# Altium PCB 恒流驱动灯板.PcbDoc
Units mm, origin at the board's own origin, x right, y up, seen from the top; angles counter-clockwise.
Board outline 80.25 x 79.53 mm, 2 copper layers (Top Layer, Bottom Layer); 27 components, 24 nets, 96 pads, 0 vias.
Unrouted connection lines stored in the file: 3.
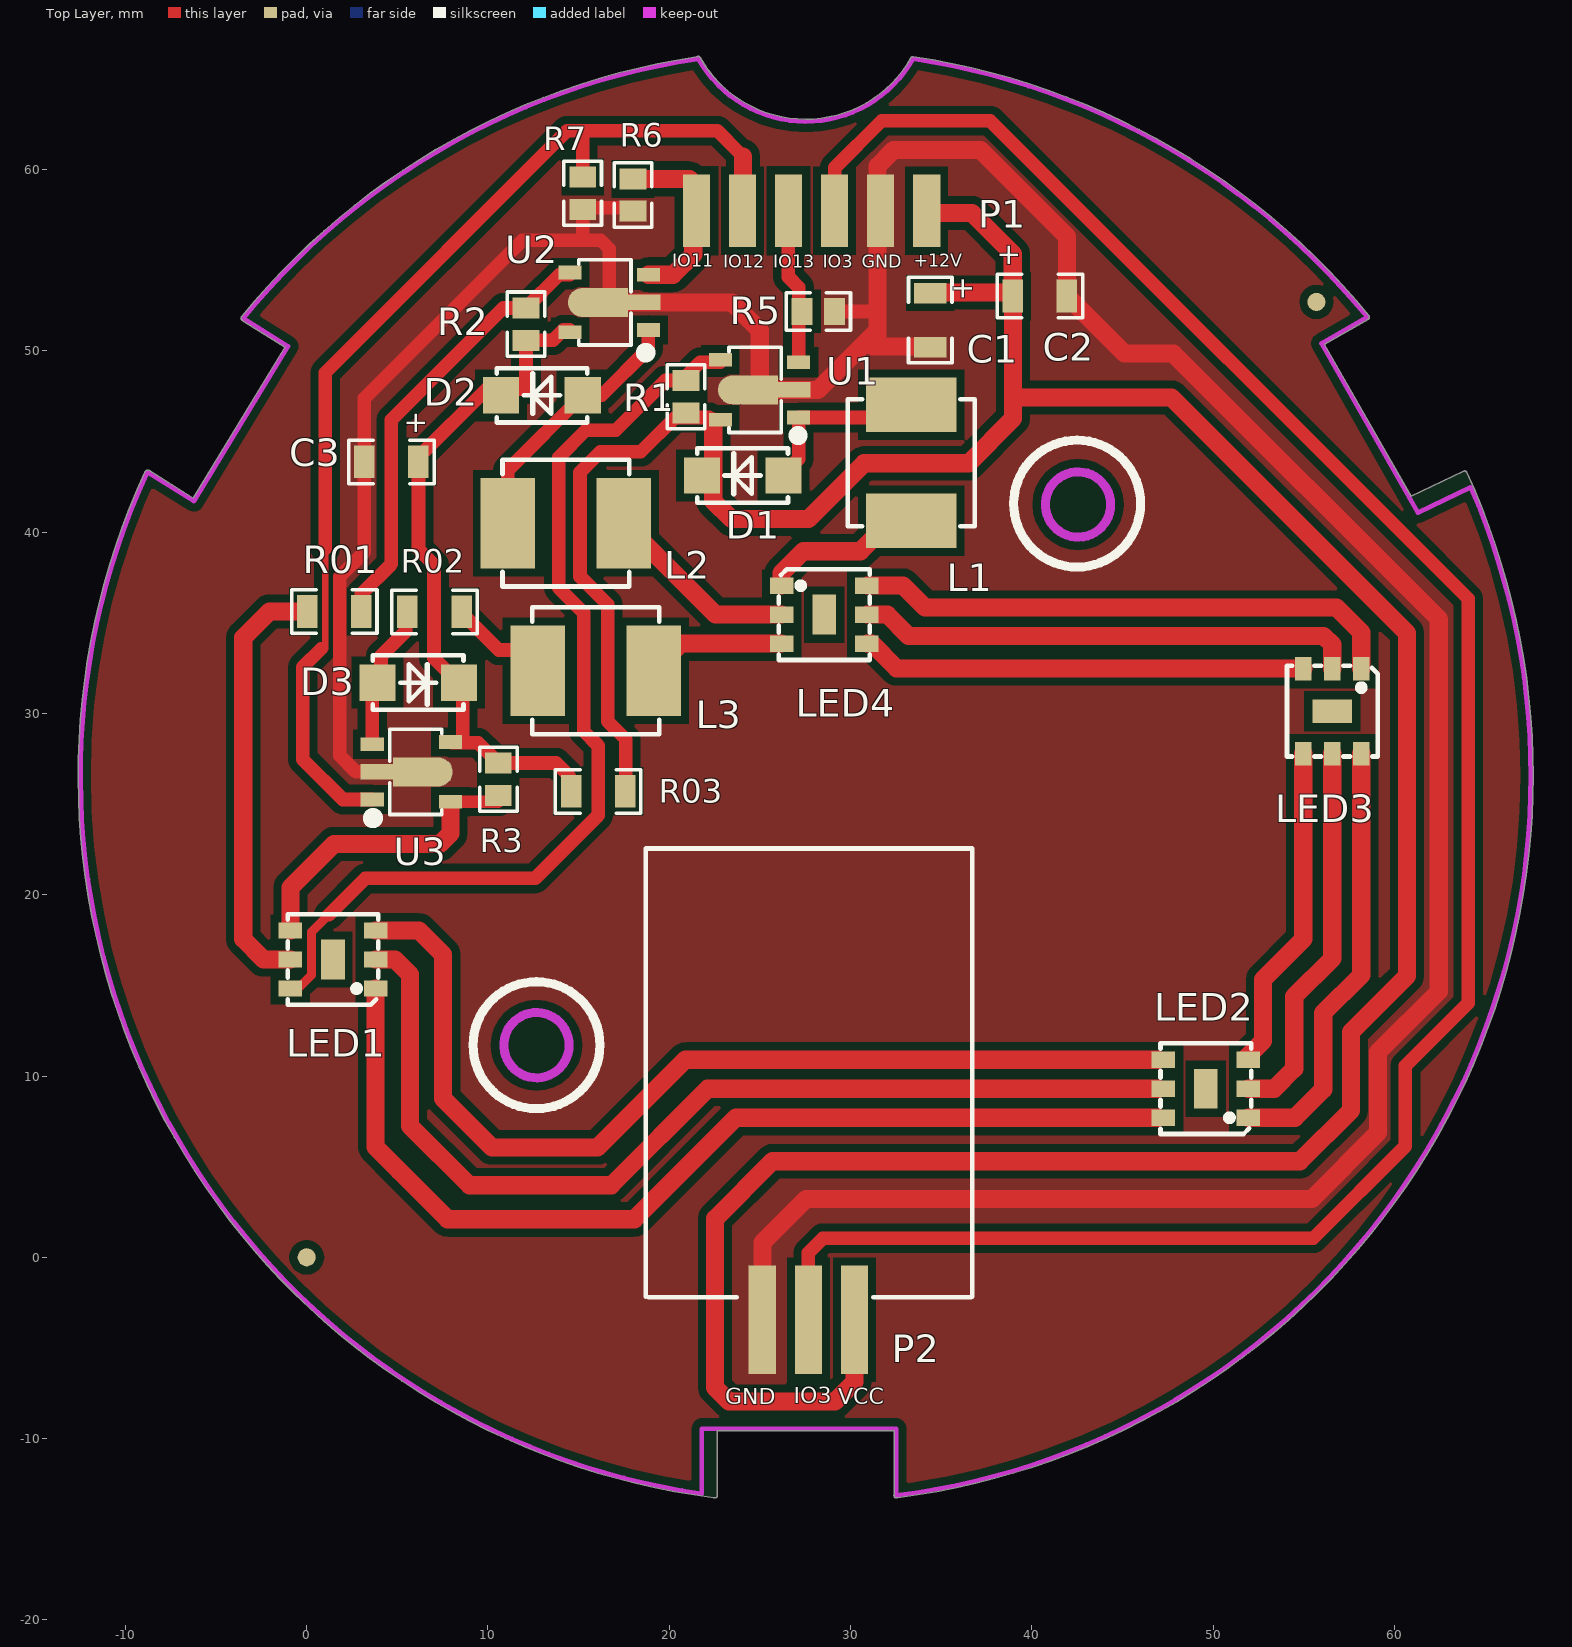
[diagram p0: Top Layer view]
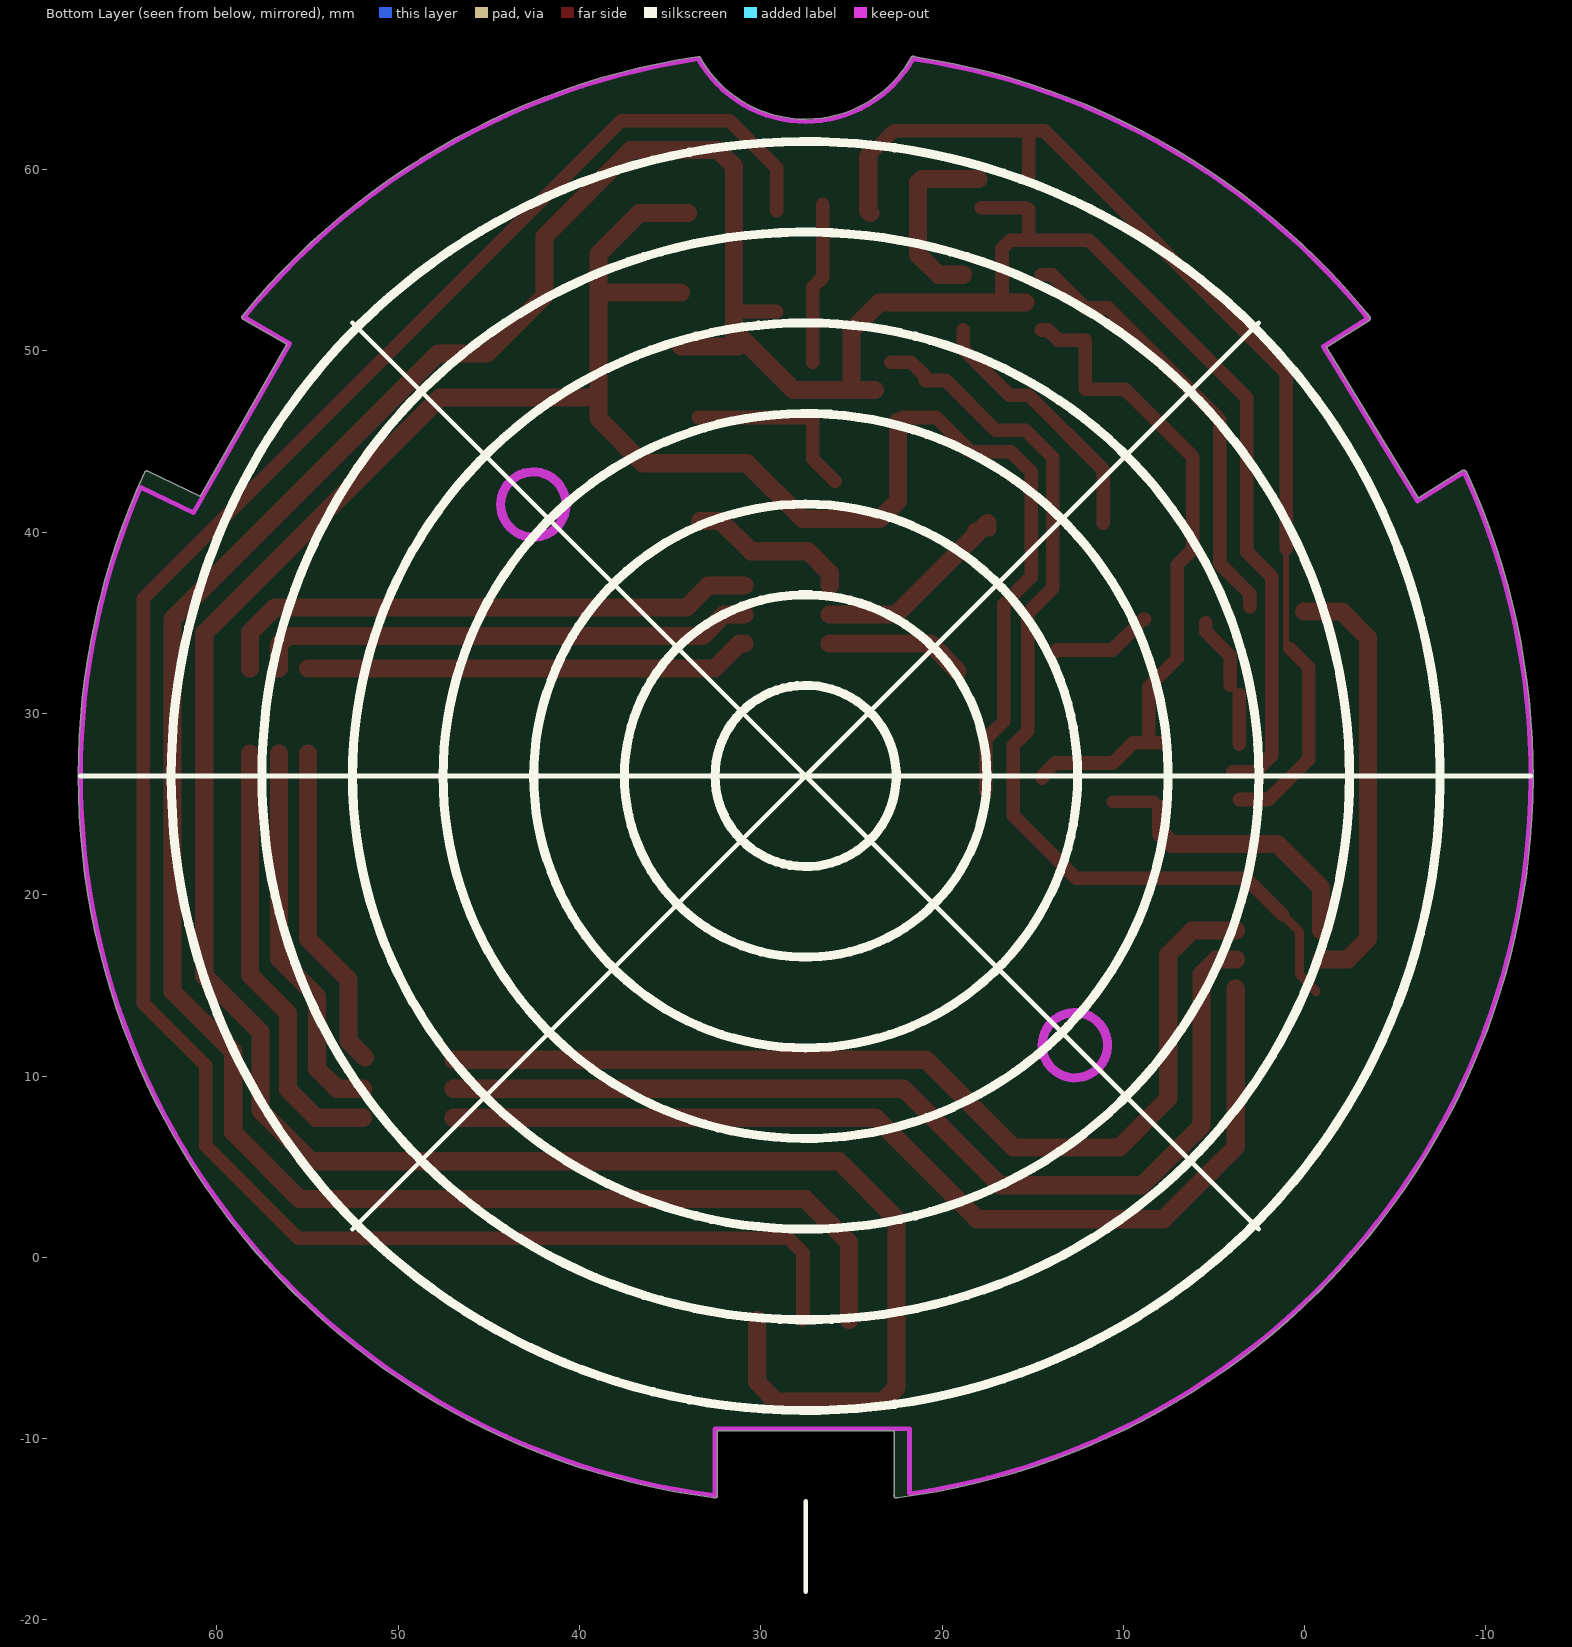
[diagram p1: Bottom Layer view, seen from below]

## Layer stack, top to bottom
Top Layer: signal copper 0.0356
Dielectric: dielectric 0.32, FR-4, Dk 4.8
Bottom Layer: signal copper 0.0356

## Board outline
22.454,-13.256 cw(c27.525,26.55) -8.938,43.303 cw(c-8.822,43.25) -8.878,43.364 cw(c-8.769,43.3) -8.701,43.408 -6.266,41.886 -1.195,50.209 -3.537,51.672 cw(c-3.47,51.78) -3.563,51.693 cw(c-3.497,51.802) -3.595,51.882 cw(c27.525,26.55) 21.51,66.224 cw(c21.592,66.126) 21.703,66.188 ccw(c27.525,69.45) 33.324,66.148 cw(c33.446,66.109) 33.464,66.235 cw(c27.525,26.55) 58.598,51.941 cw(c58.499,51.86) 58.626,51.86 cw(c58.499,51.86) 58.562,51.75 56.148,50.362 60.927,41.973 63.812,43.363 cw(c63.872,43.25) 63.988,43.303 cw(c27.525,26.55) 67.652,26.55 cw(c27.525,26.55) 32.596,-13.256 cw(c32.525,-13.15) 32.398,-13.159 cw(c32.523,-13.136) 32.398,-13.116 32.398,-9.577 22.652,-9.577 22.652,-13.116 cw(c22.527,-13.136) 22.654,-13.136 cw(c22.527,-13.136) 22.652,-13.159 cw(c22.525,-13.15)

## Design rules (kind name [scope] priority, off if disabled: settings)
Clearance Clearance_1 [All] p1 off: gap=0.45
Clearance [All] p2: gap=0.17
PolygonConnect [All] p1: connectstyle=Direct reliefconductorwidth=0.254 reliefentries=4 polygonreliefangle="90 Angle"
RoutingVias [All] p1: holewidth=0.711 width=1.27 viastyle="Through Hole" minholewidth=0.711 minwidth=1.27 maxholewidth=0.711 maxwidth=1.27
SilkscreenOverComponentPads SilkToSolderMaskClearance [IsPad] p1: minsilkscreentomaskgap=0.254
SolderMaskExpansion [All] p1: expansion=0.102
TestPointUsage FabricationTestPointUsage [All] p1: valid=0 allowmultiple=FALSE
Testpoint FabricationTestpoint [All] p1: side=3 testpointundercomponent=TRUE minsize=1.016 maxsize=2.54 preferedsize=1.524 minholesize=0 maxholesize=1.016 preferedholesize=0.813 testpointgrid=0.025 style=297 order=0-112345678
Width Width_3 [All] p1: maxlimit=1 minlimit=1 preferedwidth=1
Width Width_2 [All] p2 off: maxlimit=0.35 minlimit=0.35 preferedwidth=0.35
Width Width_1 [All] p3 off: maxlimit=0.75 minlimit=0.75 preferedwidth=0.75
Width [All] p4 off: maxlimit=0.254 minlimit=0.254 preferedwidth=0.254
23 further rules are at their usual default settings.

## Components (designator, comment, footprint, x,y, rotation, side; value= is the part's Value field where it differs from the comment)
C1 "22uF/25V" 1206 34.4,51.7 r90 top
C2 "22uF/25V" 1206 40.45,53.025 r180 top
C3 "22uF/25V" 1206 4.675,43.875 r0 top
D1 "SS34" SMA 24.05,43.125 r180 top
D2 "SS34" SMA 12.975,47.55 r180 top
D3 "SS34" SMA 6.15,31.7 r0 top
L1 "68uH" "D电感 7X7mm" 33.35,43.825 r270 top
L2 "68uH" "D电感 7X7mm" 14.3,40.5 r0 top
L3 "68uH" "D电感 7X7mm" 15.95,32.35 r0 top
LED1 "5050RGB 3W" "LED 5050RGB 3W" 1.45,16.425 r180 top
LED2 "5050RGB 3W" "LED 5050RGB 3W" 49.6,9.3 r180 top
LED3 "5050RGB 3W" "LED 5050RGB 3W" 56.575,30.125 r270 top
LED4 "5050RGB 3W" "LED 5050RGB 3W" 28.55,35.45 r0 top
P1 "2.0X6直插" "2.54M6 贴焊" 27.85,57.725 r0 top
P2 "2.54mmX3弯针" "模块5.8G微波感应模 2" 27.675,-3.45 r0 top
R1 "0.62Ω" 0805 20.925,47.475 r90 top
R01 "0Ω" 1206 1.525,35.625 r0 top
R2 "0.62Ω" 0805 12.1,51.475 r90 top
R02 "0Ω" 1206 7.05,35.6 r0 top
R3 "0.62Ω" 0805 10.575,26.375 r270 top
R03 "0Ω" 1206 16.075,25.7 r0 top
R5 "10K" 0805 28.225,52.175 r0 top
R6 "10K" 0805 18,58.6 r270 top
R7 "10K" 0805 15.225,58.7 r270 top
U1 "PT4205" "SOT-89-5L - 改" 24.975,47.85 r90 top
U2 "PT4205" "SOT-89-5L - 改" 16.694,52.675 r90 top
U3 "PT4205" "SOT-89-5L - 改" 5.775,26.775 r270 top

## Footprints (in the part's own frame and the unit in brackets; to place one, negate y for a bottom-side part, rotate by r counter-clockwise, add the part's x,y. Pads: shape width x height; smd on the part's side, far side on the other; paste and mask are expansions set on the pad)
"2.54M6 贴焊" [mm]
  rect 1.5x4 smd: 1(-6.35,0) 2(-3.81,0) 3(-1.27,0) 4(1.27,0) 5(3.81,0) 6(6.35,0)
0805 [mm]
  rect 1.16x1.47 smd: 1(-0.89,0) 2(0.89,0)
  silkscreen extent -1.77,-1.04 1.77,1.03
1206 [mm]
  rect 1.13x1.8 smd: 1(-1.49,0) 2(1.49,0)
  silkscreen extent -2.36,-1.2 2.35,1.2
"D电感 7X7mm" [mm]
  rect 3x5 smd: 1(-3.2,0) 2(3.2,0)
  silkscreen extent -3.5,-3.5 3.5,3.5
"LED 5050RGB 3W" [mm]
  rect 1.3x2.2 smd: 0(0,0)
  rect 1.3x0.9 smd: 1(-2.35,1.6) 2(-2.35,0) 3(-2.35,-1.6) 4(2.35,-1.6) 5(2.35,0) 6(2.35,1.6)
  silkscreen extent -2.5,-2.5 2.5,2.5
SMA [mm]
  rect 2x2 smd: 1(-2.25,0) 2(2.25,0)
  silkscreen extent -2.5,-1.5 2.5,1.5
"SOT-89-5L - 改" [mm]
  rect 0.75x1.27 smd: 1(-1.524,-2.159) 3(1.524,-2.159) 4(1.651,2.159) 5(-1.651,2.159)
  oval 1.6x2 smd: 2(0,1.281)
  rect 1.6x2 smd: 2(0,-0.019)
  rect 0.864x2 smd: 2(0,-1.819)
  silkscreen extent -2.35,-1.2 2.35,1.68
"模块5.8G微波感应模 2" [mm]
  rect 1.5x6 smd: 1(-2.54,0) 2(0,0) 3(2.54,0)
  silkscreen extent -8.97,1.24 9.03,26

## Part data
C1 C2 C3: library part C
D1 D2 D3: library part D稳压二极管
L1 L2 L3: library part D电感
LED1 LED2 LED3 LED4: library part "LED 5050RGB 3W"
P1: library part "Header 6", "Header, 6-Pin"
P2: library part "Header 3", "Header, 3-Pin"
R1 R01 R2 R02 R3 R03: library part R1
R5 R6 R7: library part R电阻1

## Free pads (board coordinates)
  round 1 smd: 1(0,0) 1(55.7,52.7)

## Nets (pads, with @x,y where several pads share a name; then routed paths per layer and width w, separated by ;. In a path a pad name is that pad's centre, name@x,y a point inside that pad or via, vN(x,y) a via of type N, cw(c..) or ccw(c..) an arc to the next point about the centre after c; other vN are vias at no path point)
B1: LED1.6 R1.2 U1.4 | length 53.7
  Top Layer w0.5: LED1.6@-0.625,14.675 0.275,15.575 0.275,17.95 1.214,18.889
  Top Layer w0.75: 1.214,18.889 3.225,20.9 12.6,20.9 16.075,24.375 16.075,28.225 15.28,29.02 15.28,35.545 13.9,36.925 13.9,44.125 15.4,45.625 17.05,45.625 19.79,48.365 R1.2 ; R1.2@20.965,48.64 21.699,49.374 U1.4@22.816,49.374
B2: L1.2 LED4.1 | length 9
  Top Layer w1: LED4.1 26.2,37.75 27.4,38.95 30.55,38.95 32.225,40.625 L1.2
G1: LED1.4 R3.2 U3.4 | length 16
  Top Layer w0.7: U3.4@8.333,25.124 R3.2@10.575,25.124
  Top Layer w1: LED1.4 -0.9,20.4 1.5,22.8 7.35,22.8 7.934,23.384 7.934,24.725
G2: L3.2 LED4.3 | length 7.7
  Top Layer w1: L3.2 20.65,33.85 LED4.3
GND: C1.1 C2.1 C3.1 P1.5 P2.1 R5.2 R6.2 R7.2 U1.2 U2.2 U3.2 | length 199.6
  Top Layer w0.75: U3.2@3.956,26.775 2.725,26.775 1.825,27.675 1.825,37.55 3.185,38.91 C3.1 3.185,47.385 11.9,56.1 16.225,56.1 16.694,55.631 U2.2@16.694,52.675 ; 15.225,56.275 R7.2 ; R7.2@15.4,57.885 R6.2@17.825,57.885 ; R5.2 31.435,52.175
  Top Layer w1: U2.2@15.394,52.675 16.694,52.675 U2.2@18.494,52.675 ; U2.2@18.513,52.675 23.45,52.675 24.994,51.131 U1.2@24.994,47.85 ; U1.2@23.694,47.85 U1.2@24.994,47.85 ; P2.1 25.135,0.81 27.55,3.225 55.45,3.225 59.1,6.875 59.1,11.325 62.45,14.675 62.45,35.2 47.8,49.85 45.115,49.85 C2.1 41.94,56.31 37.175,61.075 32.375,61.075 31.485,60.185 31.485,51.135 ; C1.1@34.4,50.25 31.25,50.25 31.485,50.485 31.485,51.135 ; U1.2@24.994,47.85 26.794,47.85 28.2,47.85 31.485,51.135
GPIO3: P1.4 P2.2 | length 120
  Top Layer w0.75: P2.2 27.675,0.25 28.475,1.05 55.525,1.05 60.61,6.135 60.61,10.56 64.075,14.025 64.075,36.325 37.7,62.7 31.725,62.7 29.12,60.095 P1.4
GPIO11: P1.1 R6.1 U2.3 | length 10.3
  Top Layer w1: R6.1 21.11,59.49 21.325,59.275 21.325,55.325 20.199,54.199 U2.3
GPIO12: P1.2 R7.1 U3.3 | length 61.4
  Top Layer w0.35: 1.025,33.575 1.025,39.075
  Top Layer w0.75: 0.8,33.575 -0.225,32.55 -0.225,27.475 1.999,25.251 U3.3 ; 1.025,39.075 1.025,48.8 14.375,62.15 22.65,62.15 23.865,60.935 24.075,60.725 ; R7.1 15.225,62.1
  Top Layer w1: P1.2@23.965,57.6 24.075,57.71 24.075,60.725
GPIO13: P1.3 R5.1 U1.3 | length 9.1
  Top Layer w0.35: U1.3@27,49.508 U1.3
  Top Layer w0.75: P1.3@26.575,58.075 26.575,54.075 27.134,53.516 U1.3
NetD1_1: D1.1 L1.1 U1.1 | length 10.4
  Top Layer w0.75: D1.1@25.9,42.8 27.134,44.034 U1.1 L1.1@33.451,46.326
NetD2_1: D2.1 L2.1 U2.1 | length 14.5
  Top Layer w0.75: L2.1 11.1,43.425 D2.1 16.275,47.55 18.834,50.109 U2.1@18.834,51.151
NetD3_1: D3.1 L3.1 R02.1 R02.2 U3.1 | length 12.5
  Top Layer w0.75: U3.1 D3.1@3.616,31.066 ; D3.1@4.1,31.55 4.1,33.175 5.45,34.525 R02.1@5.45,35 ; R02.2@8.825,35.2 8.9,35.2 10.6,33.5 13.675,33.5 L3.1@13.8,33.375
NetLED1_1: LED1.1 LED2.6 | length 60.4
  Top Layer w1: 3.8,11.975 LED1.1 3.8,6.075 5.1,4.775 ; 3.875,6 5.1,4.775 ; LED2.6@46.95,7.7 23.675,7.7 18.075,2.1 7.775,2.1 5.1,4.775
NetLED1_2: LED1.2 LED2.5 | length 55.4
  Top Layer w1: LED1.2 4.875,16.425 5.7,15.6 5.7,7.25 8.975,3.975 16.8,3.975 22.125,9.3 LED2.5@46.95,9.3
NetLED1_3: LED1.3 LED2.4 | length 54.8
  Top Layer w1: LED1.3 6.2,18.025 7.525,16.7 7.525,8.75 10.225,6.05 16.05,6.05 20.9,10.9 LED2.4@46.95,10.9
NetLED2_1: LED2.1 LED3.6 | length 24.2
  Top Layer w1: LED2.1 54.525,7.7 56.075,9.25 56.075,13.475 58.175,15.575 LED3.6
NetLED2_2: LED2.2 LED3.5 | length 21.2
  Top Layer w1: LED2.2 53.375,9.3 54.475,10.4 54.475,14.375 56.575,16.475 LED3.5
NetLED2_3: LED2.3 LED3.4 | length 18.1
  Top Layer w1: LED2.3@51.838,11.013 52.75,11.925 52.75,15.325 54.975,17.55 LED3.4
NetLED3_1: LED3.1 LED4.6 | length 30.3
  Top Layer w1: LED4.6 32.9,37.05 34.1,35.85 56.8,35.85 58.175,34.475 LED3.1
NetLED3_2: LED3.2 LED4.5 | length 27.7
  Top Layer w1: LED4.5 32.025,35.45 33.2,34.275 56.1,34.275 56.575,33.8 LED3.2
NetLED3_3: LED3.3 LED4.4 | length 24.6
  Top Layer w1: LED4.4 31.175,33.85 32.55,32.475 LED3.3
R1: LED1.5 R01.1 R01.2 R2.2 U2.4 | length 49.9
  Top Layer w0.75: R01.2@3.025,35.875 3.025,36.6 4.675,38.25 4.675,46.2 10.84,52.365 R2.2 13.934,54.199 U2.4@14.516,54.199
  Top Layer w1: -3.425,34.25 -2.05,35.625 ; LED1.5 -2.375,16.425 -3.5,17.55 -3.5,34.175 -2.05,35.625 ; R01.1 -2.05,35.625
R2: L2.2 LED4.2 | length 14.9
  Top Layer w0.75: L2.2@17.363,40.137 17.863,40.137 L2.2@18.213,40.137
  Top Layer w1: L2.2 17.863,40.137 22.55,35.45 LED4.2 22.9,35.45
VCC: C1.2 C2.2 C3.2 D1.2 D2.2 D3.2 P1.6 P2.3 R1.1 R2.1 R03.1 R3.1 R03.2 U1.5 U2.5 U3.5 | length 220.7
  Top Layer w0.75: U3.5@8.01,28.375 9.465,28.375 R3.1 13.76,27.265 14.48,26.545 R03.1@14.48,26.42 ; 8.6,28.374 8.6,31.475 7.025,33.05 7.025,38.2 6.165,39.06 6.165,40.65 C3.2 6.165,44.14 9.9,47.875 12.1,47.875 R2.1 13.585,50.585 14.151,51.151 U2.5@14.516,51.151 ; R03.2@17.6,25.7 17.6,28.575 16.6,29.575 16.6,36.025 15.075,37.55 15.075,43.3 16.205,44.43 18.43,44.43 20.326,46.326 U1.5@22.199,46.326
  Top Layer w1: U1.5@22.425,46.1 22.425,41.725 23.425,40.725 27.675,40.725 30.75,43.8 36.5,43.8 38.96,46.26 38.96,47.425 ; P2.3 30.215,-6.885 29.15,-7.95 23.3,-7.95 22.525,-7.175 22.525,2.125 25.7,5.3 54.8,5.3 57.6,8.1 57.6,12.425 60.7,15.525 60.7,34.425 47.7,47.425 38.96,47.425 ; P1.6@34.025,57.6 36.7,57.6 38.95,55.35 C2.2@38.95,53.025 ; C1.2@34.4,53.215 38.86,53.215 38.96,53.115 C2.2 38.96,47.425
pads on no net: LED1.0 LED2.0 LED3.0 LED4.0

## Polygon pours and split planes (outlines as drawn)
GND on Top Layer "Top Layer-No Net" (solid, pour order 4): 1069 vertices, not listed, extent -12.314,-13.025 64.636,66.251
GND on Top Layer "Bottom Layer-No Net 1" (solid, pour order 1000): 155 vertices, not listed, extent 56.13,-1.684 67.83,42.186

## Keep-outs
Keep-Out Layer:
  circle w0.5: c42.55,41.525 r1.8
  circle w0.5: c12.675,11.7 r1.8
  lines w0.254: -8.822,43.25 ccw(c27.525,26.55) 21.795,-13.037 ; -8.769,43.3 -6.225,41.71 -1.021,50.25 -3.47,51.78 ; -3.497,51.802 cw(c27.525,26.55) 21.546,66.101 ; 21.592,66.126 ccw(c27.525,69.45) 33.444,66.102 ; 21.8,-13 21.8,-9.45 32.525,-9.45 32.525,-13.15 ; 32.523,-13.136 ccw(c27.525,26.55) 64.22,42.47 ; 33.446,66.109 cw(c27.525,26.55) 58.499,51.86 55.975,50.409 61.296,41.067 64.218,42.475

## Silkscreen, mask and mechanical layers (free items; w line width, h text height)
Top Overlay:
  circle w0.5: c42.5,41.575 r3.5
  circle w0.5: c12.675,11.7 r3.5
  circle w1: c27.1,45.325 r0.025
  circle w1: c18.7,49.9 r0.035
  circle w1: c3.65,24.225 r0.056
  text "+" at 39.625,54.6 h2 r90
  text "IO11" at 20.175,54.4 h1.2
  text "+12V" at 33.475,54.4 h1.2
  text "IO12" at 22.975,54.35 h1.2
  text "GND" at 30.625,54.35 h1.2
  text "IO13" at 25.725,54.325 h1.2
  text "IO3" at 28.475,54.325 h1.2
  text "+" at 37.1,52.775 h2 r90
  text "+" at 6.925,45.35 h2 r90
  text "IO3" at 26.875,-8.35 h1.5
  text "GND" at 23.1,-8.4 h1.5
  text "VCC" at 29.325,-8.4 h1.5
Bottom Overlay:
  circle w0.5: c27.525,26.55 r5
  circle w0.5: c27.525,26.55 r10
  circle w0.5: c27.525,26.55 r15
  circle w0.5: c27.525,26.55 r20
  circle w0.5: c27.525,26.55 r25
  circle w0.5: c27.525,26.55 r30
  circle w0.5: c27.525,26.55 r35
  lines w0.254: -12.475,26.55 67.525,26.55 ; 2.525,1.55 52.525,51.55 ; 2.525,51.55 52.525,1.55 ; 27.525,-18.45 27.525,-13.45